# Altium PCB touch-tara-h-3 (final).PcbDoc (part 2 of 8)
Units mm, origin at the board's own origin, x right, y up, seen from the top; angles counter-clockwise.
Board outline 447.8 x 276.35 mm, 2 copper layers (Top Layer, Bottom Layer); 1040 components, 28 nets, 3254 pads, 0 vias.
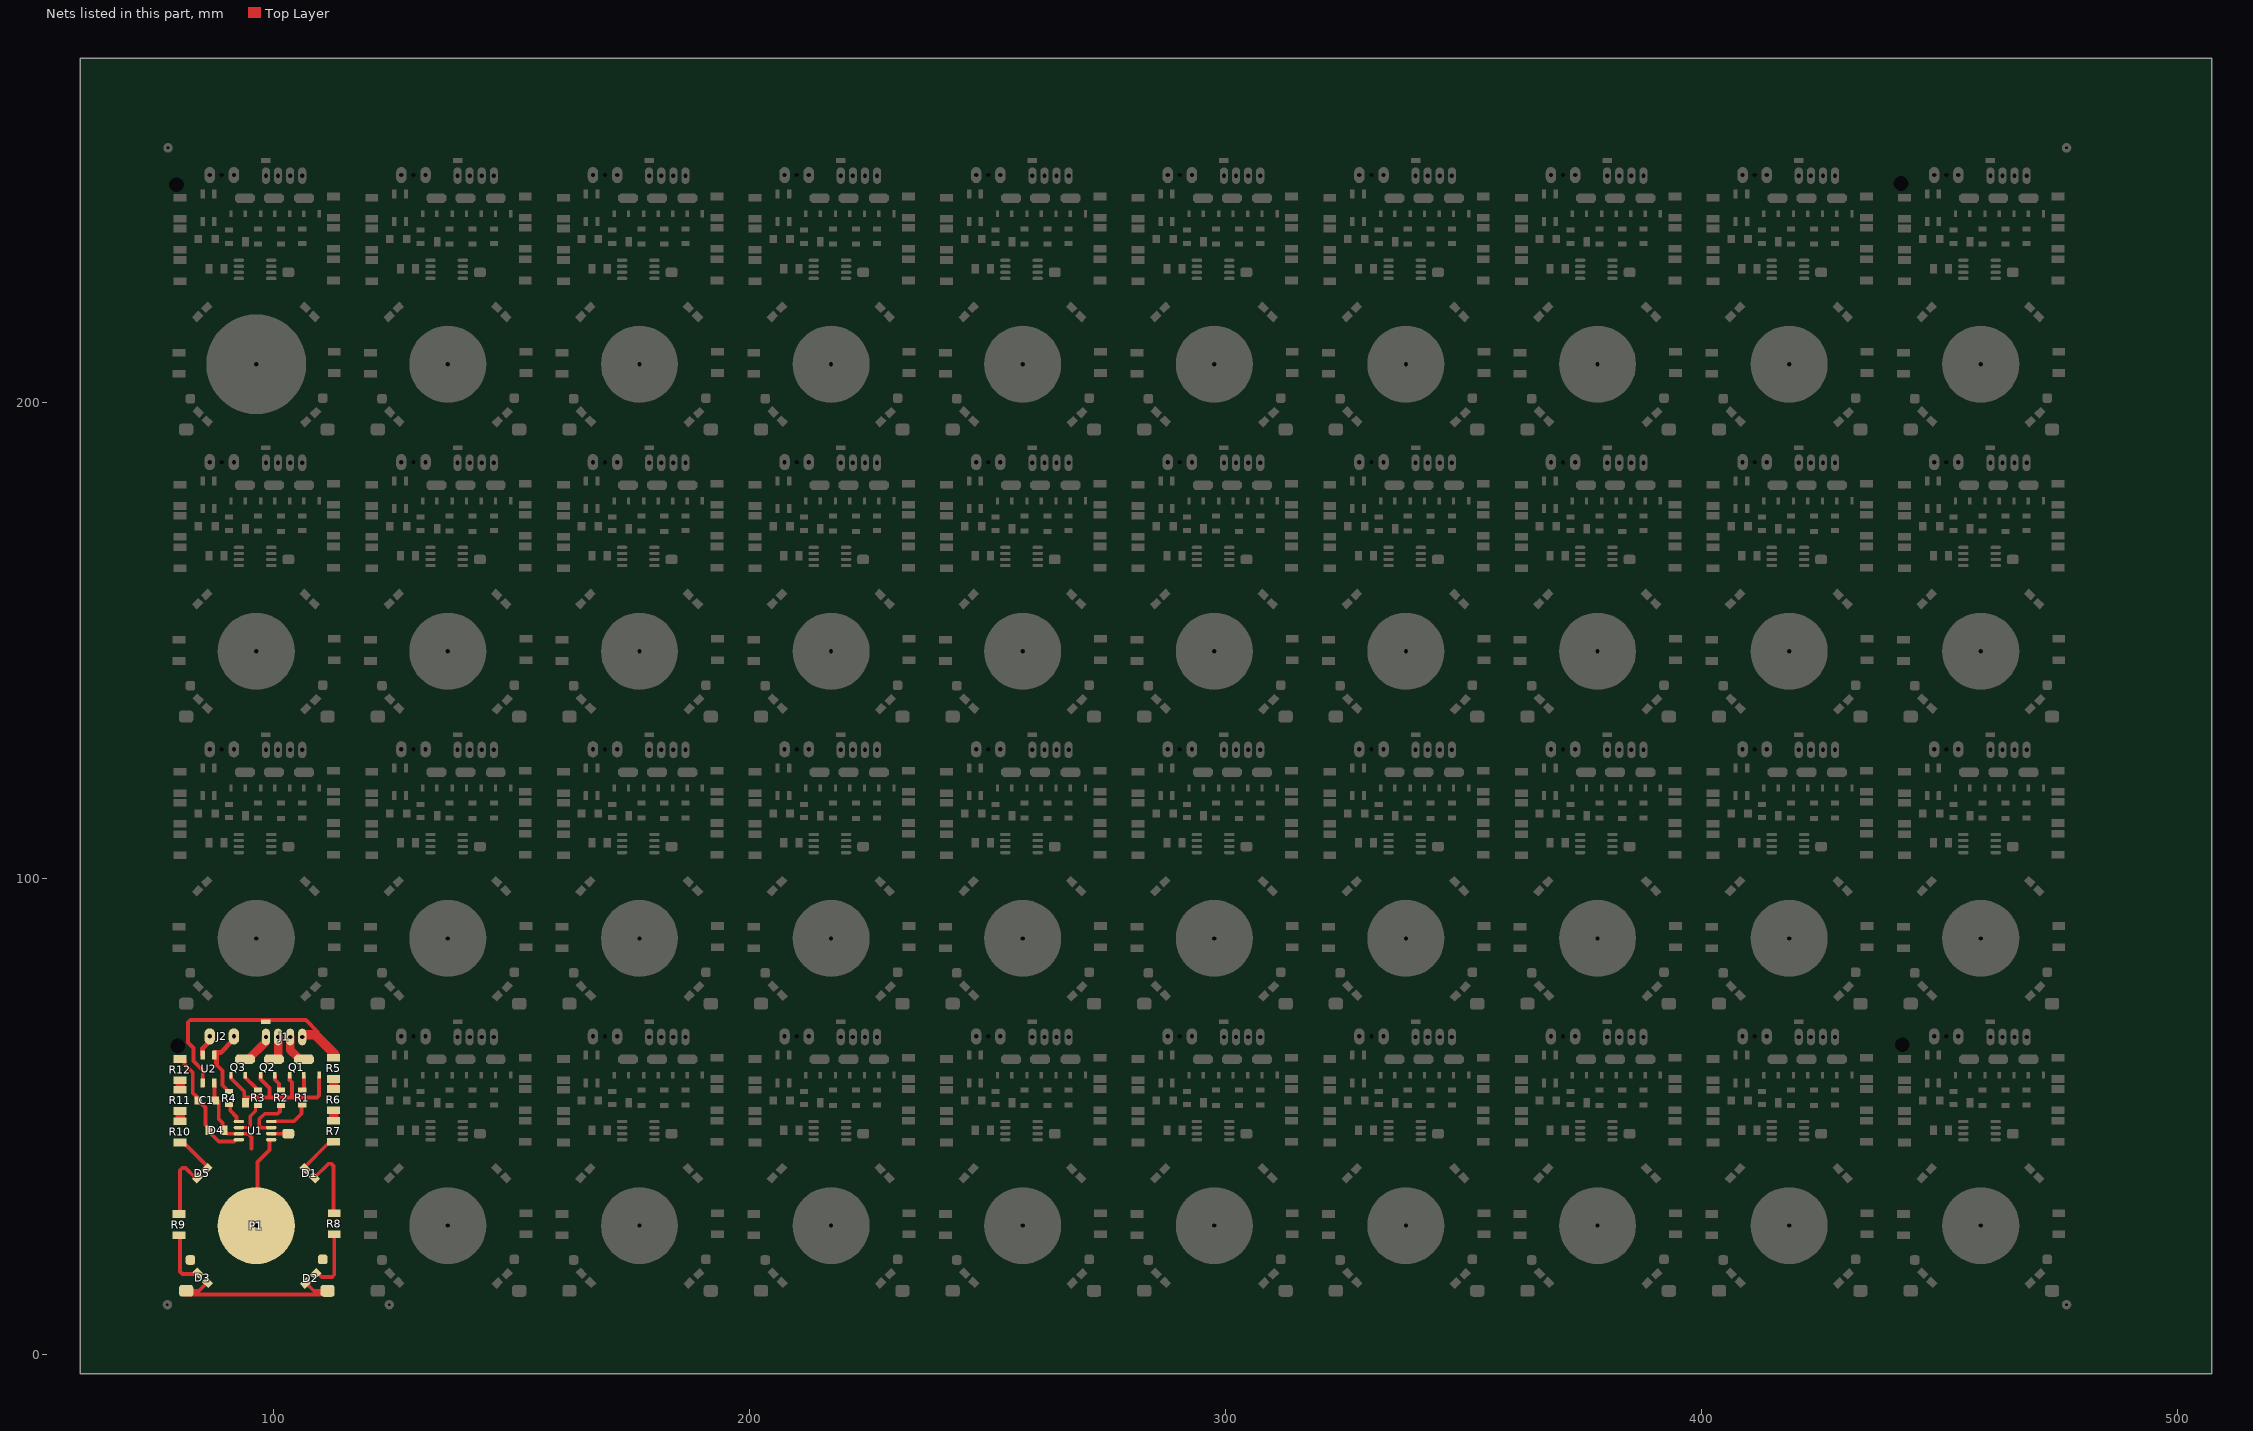
[diagram p2: the nets of this part, all layers, seen from the top]

## Components (designator, comment, footprint, x,y, rotation, side; value= is the part's Value field where it differs from the comment) (continued)
R8 "10K" "RES 2010 (5026X08L)" 354.33,148.082 r270 top (schematic designator R12)
R8 "10K" "RES 2010 (5026X08L)" 314.071,148.082 r270 top (schematic designator R12)
R8 "10K" "RES 2010 (5026X08L)" 273.812,148.082 r270 top (schematic designator R12)
R8 "10K" "RES 2010 (5026X08L)" 233.553,148.082 r270 top (schematic designator R12)
R8 "10K" "RES 2010 (5026X08L)" 193.294,148.082 r270 top (schematic designator R12)
R8 "10K" "RES 2010 (5026X08L)" 153.035,148.082 r270 top (schematic designator R12)
R8 "10K" "RES 2010 (5026X08L)" 112.776,148.082 r270 top (schematic designator R12)
R8 "10K" "RES 2010 (5026X08L)" 475.107,208.407 r270 top (schematic designator R12)
R8 "10K" "RES 2010 (5026X08L)" 434.848,208.407 r270 top (schematic designator R12)
R8 "10K" "RES 2010 (5026X08L)" 394.589,208.407 r270 top (schematic designator R12)
R8 "10K" "RES 2010 (5026X08L)" 354.33,208.407 r270 top (schematic designator R12)
R8 "10K" "RES 2010 (5026X08L)" 314.071,208.407 r270 top (schematic designator R12)
R8 "10K" "RES 2010 (5026X08L)" 273.812,208.407 r270 top (schematic designator R12)
R8 "10K" "RES 2010 (5026X08L)" 233.553,208.407 r270 top (schematic designator R12)
R8 "10K" "RES 2010 (5026X08L)" 193.294,208.407 r270 top (schematic designator R12)
R8 "10K" "RES 2010 (5026X08L)" 153.035,208.407 r270 top (schematic designator R12)
R8 "10K" "RES 2010 (5026X08L)" 112.776,208.407 r270 top (schematic designator R12)
R9 "10K" "RES 2010 (5026X08L)" 80.137,27.244 r90 top (schematic designator R11)
R9 "10K" "RES 2010 (5026X08L)" 120.396,27.244 r90 top (schematic designator R11)
R9 "10K" "RES 2010 (5026X08L)" 160.655,27.244 r90 top (schematic designator R11)
R9 "10K" "RES 2010 (5026X08L)" 200.914,27.244 r90 top (schematic designator R11)
R9 "10K" "RES 2010 (5026X08L)" 241.173,27.244 r90 top (schematic designator R11)
R9 "10K" "RES 2010 (5026X08L)" 281.432,27.244 r90 top (schematic designator R11)
R9 "10K" "RES 2010 (5026X08L)" 321.691,27.244 r90 top (schematic designator R11)
R9 "10K" "RES 2010 (5026X08L)" 361.95,27.244 r90 top (schematic designator R11)
R9 "10K" "RES 2010 (5026X08L)" 402.209,27.244 r90 top (schematic designator R11)
R9 "10K" "RES 2010 (5026X08L)" 442.468,27.244 r90 top (schematic designator R11)
R9 "10K" "RES 2010 (5026X08L)" 80.137,87.569 r90 top (schematic designator R11)
R9 "10K" "RES 2010 (5026X08L)" 120.396,87.569 r90 top (schematic designator R11)
R9 "10K" "RES 2010 (5026X08L)" 160.655,87.569 r90 top (schematic designator R11)
R9 "10K" "RES 2010 (5026X08L)" 200.914,87.569 r90 top (schematic designator R11)
R9 "10K" "RES 2010 (5026X08L)" 241.173,87.569 r90 top (schematic designator R11)
R9 "10K" "RES 2010 (5026X08L)" 281.432,87.569 r90 top (schematic designator R11)
R9 "10K" "RES 2010 (5026X08L)" 321.691,87.569 r90 top (schematic designator R11)
R9 "10K" "RES 2010 (5026X08L)" 361.95,87.569 r90 top (schematic designator R11)
R9 "10K" "RES 2010 (5026X08L)" 402.209,87.569 r90 top (schematic designator R11)
R9 "10K" "RES 2010 (5026X08L)" 442.468,87.569 r90 top (schematic designator R11)
R9 "10K" "RES 2010 (5026X08L)" 442.468,147.894 r90 top (schematic designator R11)
R9 "10K" "RES 2010 (5026X08L)" 402.209,147.894 r90 top (schematic designator R11)
R9 "10K" "RES 2010 (5026X08L)" 361.95,147.894 r90 top (schematic designator R11)
R9 "10K" "RES 2010 (5026X08L)" 321.691,147.894 r90 top (schematic designator R11)
R9 "10K" "RES 2010 (5026X08L)" 281.432,147.894 r90 top (schematic designator R11)
R9 "10K" "RES 2010 (5026X08L)" 241.173,147.894 r90 top (schematic designator R11)
R9 "10K" "RES 2010 (5026X08L)" 200.914,147.894 r90 top (schematic designator R11)
R9 "10K" "RES 2010 (5026X08L)" 160.655,147.894 r90 top (schematic designator R11)
R9 "10K" "RES 2010 (5026X08L)" 120.396,147.894 r90 top (schematic designator R11)
R9 "10K" "RES 2010 (5026X08L)" 80.137,147.894 r90 top (schematic designator R11)
R9 "10K" "RES 2010 (5026X08L)" 442.468,208.219 r90 top (schematic designator R11)
R9 "10K" "RES 2010 (5026X08L)" 402.209,208.219 r90 top (schematic designator R11)
R9 "10K" "RES 2010 (5026X08L)" 361.95,208.219 r90 top (schematic designator R11)
R9 "10K" "RES 2010 (5026X08L)" 321.691,208.219 r90 top (schematic designator R11)
R9 "10K" "RES 2010 (5026X08L)" 281.432,208.219 r90 top (schematic designator R11)
R9 "10K" "RES 2010 (5026X08L)" 241.173,208.219 r90 top (schematic designator R11)
R9 "10K" "RES 2010 (5026X08L)" 200.914,208.219 r90 top (schematic designator R11)
R9 "10K" "RES 2010 (5026X08L)" 160.655,208.219 r90 top (schematic designator R11)
R9 "10K" "RES 2010 (5026X08L)" 120.396,208.219 r90 top (schematic designator R11)
R9 "10K" "RES 2010 (5026X08L)" 80.137,208.219 r90 top (schematic designator R11)
R10 "10K" "RES 2010 (5026X08L)" 80.391,46.736 r90 top (schematic designator R7)
R10 "10K" "RES 2010 (5026X08L)" 120.65,46.736 r90 top (schematic designator R7)
R10 "10K" "RES 2010 (5026X08L)" 160.909,46.736 r90 top (schematic designator R7)
R10 "10K" "RES 2010 (5026X08L)" 201.168,46.736 r90 top (schematic designator R7)
R10 "10K" "RES 2010 (5026X08L)" 241.427,46.736 r90 top (schematic designator R7)
R10 "10K" "RES 2010 (5026X08L)" 281.686,46.736 r90 top (schematic designator R7)
R10 "10K" "RES 2010 (5026X08L)" 321.945,46.736 r90 top (schematic designator R7)
R10 "10K" "RES 2010 (5026X08L)" 362.204,46.736 r90 top (schematic designator R7)
R10 "10K" "RES 2010 (5026X08L)" 402.463,46.736 r90 top (schematic designator R7)
R10 "10K" "RES 2010 (5026X08L)" 442.722,46.736 r90 top (schematic designator R7)
R10 "10K" "RES 2010 (5026X08L)" 80.391,107.061 r90 top (schematic designator R7)
R10 "10K" "RES 2010 (5026X08L)" 120.65,107.061 r90 top (schematic designator R7)
R10 "10K" "RES 2010 (5026X08L)" 160.909,107.061 r90 top (schematic designator R7)
R10 "10K" "RES 2010 (5026X08L)" 201.168,107.061 r90 top (schematic designator R7)
R10 "10K" "RES 2010 (5026X08L)" 241.427,107.061 r90 top (schematic designator R7)
R10 "10K" "RES 2010 (5026X08L)" 281.686,107.061 r90 top (schematic designator R7)
R10 "10K" "RES 2010 (5026X08L)" 321.945,107.061 r90 top (schematic designator R7)
R10 "10K" "RES 2010 (5026X08L)" 362.204,107.061 r90 top (schematic designator R7)
R10 "10K" "RES 2010 (5026X08L)" 402.463,107.061 r90 top (schematic designator R7)
R10 "10K" "RES 2010 (5026X08L)" 442.722,107.061 r90 top (schematic designator R7)
R10 "10K" "RES 2010 (5026X08L)" 442.722,167.386 r90 top (schematic designator R7)
R10 "10K" "RES 2010 (5026X08L)" 402.463,167.386 r90 top (schematic designator R7)
R10 "10K" "RES 2010 (5026X08L)" 362.204,167.386 r90 top (schematic designator R7)
R10 "10K" "RES 2010 (5026X08L)" 321.945,167.386 r90 top (schematic designator R7)
R10 "10K" "RES 2010 (5026X08L)" 281.686,167.386 r90 top (schematic designator R7)
R10 "10K" "RES 2010 (5026X08L)" 241.427,167.386 r90 top (schematic designator R7)
R10 "10K" "RES 2010 (5026X08L)" 201.168,167.386 r90 top (schematic designator R7)
R10 "10K" "RES 2010 (5026X08L)" 160.909,167.386 r90 top (schematic designator R7)
R10 "10K" "RES 2010 (5026X08L)" 120.65,167.386 r90 top (schematic designator R7)
R10 "10K" "RES 2010 (5026X08L)" 80.391,167.386 r90 top (schematic designator R7)
R10 "10K" "RES 2010 (5026X08L)" 442.722,227.711 r90 top (schematic designator R7)
R10 "10K" "RES 2010 (5026X08L)" 402.463,227.711 r90 top (schematic designator R7)
R10 "10K" "RES 2010 (5026X08L)" 362.204,227.711 r90 top (schematic designator R7)
R10 "10K" "RES 2010 (5026X08L)" 321.945,227.711 r90 top (schematic designator R7)
R10 "10K" "RES 2010 (5026X08L)" 281.686,227.711 r90 top (schematic designator R7)
R10 "10K" "RES 2010 (5026X08L)" 241.427,227.711 r90 top (schematic designator R7)
R10 "10K" "RES 2010 (5026X08L)" 201.168,227.711 r90 top (schematic designator R7)
R10 "10K" "RES 2010 (5026X08L)" 160.909,227.711 r90 top (schematic designator R7)
R10 "10K" "RES 2010 (5026X08L)" 120.65,227.711 r90 top (schematic designator R7)
R10 "10K" "RES 2010 (5026X08L)" 80.391,227.711 r90 top (schematic designator R7)
R11 "10K" "RES 2010 (5026X08L)" 80.391,53.34 r90 top (schematic designator R8)
R11 "10K" "RES 2010 (5026X08L)" 120.65,53.34 r90 top (schematic designator R8)
R11 "10K" "RES 2010 (5026X08L)" 160.909,53.34 r90 top (schematic designator R8)
R11 "10K" "RES 2010 (5026X08L)" 201.168,53.34 r90 top (schematic designator R8)
R11 "10K" "RES 2010 (5026X08L)" 241.427,53.34 r90 top (schematic designator R8)
R11 "10K" "RES 2010 (5026X08L)" 281.686,53.34 r90 top (schematic designator R8)
R11 "10K" "RES 2010 (5026X08L)" 321.945,53.34 r90 top (schematic designator R8)
R11 "10K" "RES 2010 (5026X08L)" 362.204,53.34 r90 top (schematic designator R8)
R11 "10K" "RES 2010 (5026X08L)" 402.463,53.34 r90 top (schematic designator R8)
R11 "10K" "RES 2010 (5026X08L)" 442.722,53.34 r90 top (schematic designator R8)
R11 "10K" "RES 2010 (5026X08L)" 80.391,113.665 r90 top (schematic designator R8)
R11 "10K" "RES 2010 (5026X08L)" 120.65,113.665 r90 top (schematic designator R8)
R11 "10K" "RES 2010 (5026X08L)" 160.909,113.665 r90 top (schematic designator R8)
R11 "10K" "RES 2010 (5026X08L)" 201.168,113.665 r90 top (schematic designator R8)
R11 "10K" "RES 2010 (5026X08L)" 241.427,113.665 r90 top (schematic designator R8)
R11 "10K" "RES 2010 (5026X08L)" 281.686,113.665 r90 top (schematic designator R8)
R11 "10K" "RES 2010 (5026X08L)" 321.945,113.665 r90 top (schematic designator R8)
R11 "10K" "RES 2010 (5026X08L)" 362.204,113.665 r90 top (schematic designator R8)
R11 "10K" "RES 2010 (5026X08L)" 402.463,113.665 r90 top (schematic designator R8)
R11 "10K" "RES 2010 (5026X08L)" 442.722,113.665 r90 top (schematic designator R8)
R11 "10K" "RES 2010 (5026X08L)" 442.722,173.99 r90 top (schematic designator R8)
R11 "10K" "RES 2010 (5026X08L)" 402.463,173.99 r90 top (schematic designator R8)
R11 "10K" "RES 2010 (5026X08L)" 362.204,173.99 r90 top (schematic designator R8)
R11 "10K" "RES 2010 (5026X08L)" 321.945,173.99 r90 top (schematic designator R8)
R11 "10K" "RES 2010 (5026X08L)" 281.686,173.99 r90 top (schematic designator R8)
R11 "10K" "RES 2010 (5026X08L)" 241.427,173.99 r90 top (schematic designator R8)
R11 "10K" "RES 2010 (5026X08L)" 201.168,173.99 r90 top (schematic designator R8)
R11 "10K" "RES 2010 (5026X08L)" 160.909,173.99 r90 top (schematic designator R8)
R11 "10K" "RES 2010 (5026X08L)" 120.65,173.99 r90 top (schematic designator R8)
R11 "10K" "RES 2010 (5026X08L)" 80.391,173.99 r90 top (schematic designator R8)
R11 "10K" "RES 2010 (5026X08L)" 442.722,234.315 r90 top (schematic designator R8)
R11 "10K" "RES 2010 (5026X08L)" 402.463,234.315 r90 top (schematic designator R8)
R11 "10K" "RES 2010 (5026X08L)" 362.204,234.315 r90 top (schematic designator R8)
R11 "10K" "RES 2010 (5026X08L)" 321.945,234.315 r90 top (schematic designator R8)
R11 "10K" "RES 2010 (5026X08L)" 281.686,234.315 r90 top (schematic designator R8)
R11 "10K" "RES 2010 (5026X08L)" 241.427,234.315 r90 top (schematic designator R8)
R11 "10K" "RES 2010 (5026X08L)" 201.168,234.315 r90 top (schematic designator R8)
R11 "10K" "RES 2010 (5026X08L)" 160.909,234.315 r90 top (schematic designator R8)
R11 "10K" "RES 2010 (5026X08L)" 120.65,234.315 r90 top (schematic designator R8)
R11 "10K" "RES 2010 (5026X08L)" 80.391,234.315 r90 top (schematic designator R8)
R12 "10K" "RES 2010 (5026X08L)" 80.391,59.817 r90 top (schematic designator R9)
R12 "10K" "RES 2010 (5026X08L)" 120.65,59.817 r90 top (schematic designator R9)
R12 "10K" "RES 2010 (5026X08L)" 160.909,59.817 r90 top (schematic designator R9)
R12 "10K" "RES 2010 (5026X08L)" 201.168,59.817 r90 top (schematic designator R9)
R12 "10K" "RES 2010 (5026X08L)" 241.427,59.817 r90 top (schematic designator R9)
R12 "10K" "RES 2010 (5026X08L)" 281.686,59.817 r90 top (schematic designator R9)
R12 "10K" "RES 2010 (5026X08L)" 321.945,59.817 r90 top (schematic designator R9)
R12 "10K" "RES 2010 (5026X08L)" 362.204,59.817 r90 top (schematic designator R9)
R12 "10K" "RES 2010 (5026X08L)" 402.463,59.817 r90 top (schematic designator R9)
R12 "10K" "RES 2010 (5026X08L)" 442.722,59.817 r90 top (schematic designator R9)
R12 "10K" "RES 2010 (5026X08L)" 80.391,120.142 r90 top (schematic designator R9)
R12 "10K" "RES 2010 (5026X08L)" 120.65,120.142 r90 top (schematic designator R9)
R12 "10K" "RES 2010 (5026X08L)" 160.909,120.142 r90 top (schematic designator R9)
R12 "10K" "RES 2010 (5026X08L)" 201.168,120.142 r90 top (schematic designator R9)
R12 "10K" "RES 2010 (5026X08L)" 241.427,120.142 r90 top (schematic designator R9)
R12 "10K" "RES 2010 (5026X08L)" 281.686,120.142 r90 top (schematic designator R9)
R12 "10K" "RES 2010 (5026X08L)" 321.945,120.142 r90 top (schematic designator R9)
R12 "10K" "RES 2010 (5026X08L)" 362.204,120.142 r90 top (schematic designator R9)
R12 "10K" "RES 2010 (5026X08L)" 402.463,120.142 r90 top (schematic designator R9)
R12 "10K" "RES 2010 (5026X08L)" 442.722,120.142 r90 top (schematic designator R9)
R12 "10K" "RES 2010 (5026X08L)" 442.722,180.467 r90 top (schematic designator R9)
R12 "10K" "RES 2010 (5026X08L)" 402.463,180.467 r90 top (schematic designator R9)
R12 "10K" "RES 2010 (5026X08L)" 362.204,180.467 r90 top (schematic designator R9)
R12 "10K" "RES 2010 (5026X08L)" 321.945,180.467 r90 top (schematic designator R9)
R12 "10K" "RES 2010 (5026X08L)" 281.686,180.467 r90 top (schematic designator R9)
R12 "10K" "RES 2010 (5026X08L)" 241.427,180.467 r90 top (schematic designator R9)
R12 "10K" "RES 2010 (5026X08L)" 201.168,180.467 r90 top (schematic designator R9)
R12 "10K" "RES 2010 (5026X08L)" 160.909,180.467 r90 top (schematic designator R9)
R12 "10K" "RES 2010 (5026X08L)" 120.65,180.467 r90 top (schematic designator R9)
R12 "10K" "RES 2010 (5026X08L)" 80.391,180.467 r90 top (schematic designator R9)
R12 "10K" "RES 2010 (5026X08L)" 442.722,240.792 r90 top (schematic designator R9)
R12 "10K" "RES 2010 (5026X08L)" 402.463,240.792 r90 top (schematic designator R9)
R12 "10K" "RES 2010 (5026X08L)" 362.204,240.792 r90 top (schematic designator R9)
R12 "10K" "RES 2010 (5026X08L)" 321.945,240.792 r90 top (schematic designator R9)
R12 "10K" "RES 2010 (5026X08L)" 281.686,240.792 r90 top (schematic designator R9)
R12 "10K" "RES 2010 (5026X08L)" 241.427,240.792 r90 top (schematic designator R9)
R12 "10K" "RES 2010 (5026X08L)" 201.168,240.792 r90 top (schematic designator R9)
R12 "10K" "RES 2010 (5026X08L)" 160.909,240.792 r90 top (schematic designator R9)
R12 "10K" "RES 2010 (5026X08L)" 120.65,240.792 r90 top (schematic designator R9)
R12 "10K" "RES 2010 (5026X08L)" 80.391,240.792 r90 top (schematic designator R9)
U1 "ATtiny15L-1SC" 8S2_N 96.139,46.99 r180 top
U1 "ATtiny15L-1SC" 8S2_N 136.398,46.99 r180 top
U1 "ATtiny15L-1SC" 8S2_N 176.657,46.99 r180 top
U1 "ATtiny15L-1SC" 8S2_N 216.916,46.99 r180 top
U1 "ATtiny15L-1SC" 8S2_N 257.175,46.99 r180 top
U1 "ATtiny15L-1SC" 8S2_N 297.434,46.99 r180 top
U1 "ATtiny15L-1SC" 8S2_N 337.693,46.99 r180 top
U1 "ATtiny15L-1SC" 8S2_N 377.952,46.99 r180 top
U1 "ATtiny15L-1SC" 8S2_N 418.211,46.99 r180 top
U1 "ATtiny15L-1SC" 8S2_N 458.47,46.99 r180 top
U1 "ATtiny15L-1SC" 8S2_N 96.139,107.315 r180 top
U1 "ATtiny15L-1SC" 8S2_N 136.398,107.315 r180 top
U1 "ATtiny15L-1SC" 8S2_N 176.657,107.315 r180 top
U1 "ATtiny15L-1SC" 8S2_N 216.916,107.315 r180 top
U1 "ATtiny15L-1SC" 8S2_N 257.175,107.315 r180 top
U1 "ATtiny15L-1SC" 8S2_N 297.434,107.315 r180 top
U1 "ATtiny15L-1SC" 8S2_N 337.693,107.315 r180 top
U1 "ATtiny15L-1SC" 8S2_N 377.952,107.315 r180 top
U1 "ATtiny15L-1SC" 8S2_N 418.211,107.315 r180 top
U1 "ATtiny15L-1SC" 8S2_N 458.47,107.315 r180 top
U1 "ATtiny15L-1SC" 8S2_N 458.47,167.64 r180 top
U1 "ATtiny15L-1SC" 8S2_N 418.211,167.64 r180 top
U1 "ATtiny15L-1SC" 8S2_N 377.952,167.64 r180 top
U1 "ATtiny15L-1SC" 8S2_N 337.693,167.64 r180 top
U1 "ATtiny15L-1SC" 8S2_N 297.434,167.64 r180 top
U1 "ATtiny15L-1SC" 8S2_N 257.175,167.64 r180 top
U1 "ATtiny15L-1SC" 8S2_N 216.916,167.64 r180 top
U1 "ATtiny15L-1SC" 8S2_N 176.657,167.64 r180 top
U1 "ATtiny15L-1SC" 8S2_N 136.398,167.64 r180 top
U1 "ATtiny15L-1SC" 8S2_N 96.139,167.64 r180 top
U1 "ATtiny15L-1SC" 8S2_N 458.47,227.965 r180 top
U1 "ATtiny15L-1SC" 8S2_N 418.211,227.965 r180 top
U1 "ATtiny15L-1SC" 8S2_N 377.952,227.965 r180 top
U1 "ATtiny15L-1SC" 8S2_N 337.693,227.965 r180 top
U1 "ATtiny15L-1SC" 8S2_N 297.434,227.965 r180 top
U1 "ATtiny15L-1SC" 8S2_N 257.175,227.965 r180 top
U1 "ATtiny15L-1SC" 8S2_N 216.916,227.965 r180 top
U1 "ATtiny15L-1SC" 8S2_N 176.657,227.965 r180 top
U1 "ATtiny15L-1SC" 8S2_N 136.398,227.965 r180 top
U1 "ATtiny15L-1SC" 8S2_N 96.139,227.965 r180 top
U2 "MB6S" SOIC245P670X270-4N 86.36,59.944 r90 top
U2 "MB6S" SOIC245P670X270-4N 126.619,59.944 r90 top
U2 "MB6S" SOIC245P670X270-4N 166.878,59.944 r90 top
U2 "MB6S" SOIC245P670X270-4N 207.137,59.944 r90 top
U2 "MB6S" SOIC245P670X270-4N 247.396,59.944 r90 top
U2 "MB6S" SOIC245P670X270-4N 287.655,59.944 r90 top
U2 "MB6S" SOIC245P670X270-4N 327.914,59.944 r90 top
U2 "MB6S" SOIC245P670X270-4N 368.173,59.944 r90 top
U2 "MB6S" SOIC245P670X270-4N 408.432,59.944 r90 top
U2 "MB6S" SOIC245P670X270-4N 448.691,59.944 r90 top
U2 "MB6S" SOIC245P670X270-4N 86.36,120.269 r90 top
U2 "MB6S" SOIC245P670X270-4N 126.619,120.269 r90 top
U2 "MB6S" SOIC245P670X270-4N 166.878,120.269 r90 top
U2 "MB6S" SOIC245P670X270-4N 207.137,120.269 r90 top
U2 "MB6S" SOIC245P670X270-4N 247.396,120.269 r90 top
U2 "MB6S" SOIC245P670X270-4N 287.655,120.269 r90 top
U2 "MB6S" SOIC245P670X270-4N 327.914,120.269 r90 top
U2 "MB6S" SOIC245P670X270-4N 368.173,120.269 r90 top
U2 "MB6S" SOIC245P670X270-4N 408.432,120.269 r90 top
U2 "MB6S" SOIC245P670X270-4N 448.691,120.269 r90 top
U2 "MB6S" SOIC245P670X270-4N 448.691,180.594 r90 top
U2 "MB6S" SOIC245P670X270-4N 408.432,180.594 r90 top
U2 "MB6S" SOIC245P670X270-4N 368.173,180.594 r90 top
U2 "MB6S" SOIC245P670X270-4N 327.914,180.594 r90 top
U2 "MB6S" SOIC245P670X270-4N 287.655,180.594 r90 top
U2 "MB6S" SOIC245P670X270-4N 247.396,180.594 r90 top
U2 "MB6S" SOIC245P670X270-4N 207.137,180.594 r90 top
U2 "MB6S" SOIC245P670X270-4N 166.878,180.594 r90 top
U2 "MB6S" SOIC245P670X270-4N 126.619,180.594 r90 top
U2 "MB6S" SOIC245P670X270-4N 86.36,180.594 r90 top
U2 "MB6S" SOIC245P670X270-4N 448.691,240.919 r90 top
U2 "MB6S" SOIC245P670X270-4N 408.432,240.919 r90 top
U2 "MB6S" SOIC245P670X270-4N 368.173,240.919 r90 top
U2 "MB6S" SOIC245P670X270-4N 327.914,240.919 r90 top
U2 "MB6S" SOIC245P670X270-4N 287.655,240.919 r90 top
U2 "MB6S" SOIC245P670X270-4N 247.396,240.919 r90 top
U2 "MB6S" SOIC245P670X270-4N 207.137,240.919 r90 top
U2 "MB6S" SOIC245P670X270-4N 166.878,240.919 r90 top
U2 "MB6S" SOIC245P670X270-4N 126.619,240.919 r90 top
U2 "MB6S" SOIC245P670X270-4N 86.36,240.919 r90 top
